# Altium PCB MS3100_MCU_V0.1.PcbDoc
Units mil, origin at the board's own origin, x right, y up, seen from the top; angles counter-clockwise.
Board outline 5905.51 x 2283.46 mil, 2 copper layers (Top Layer, Bottom Layer); 39 components, 65 nets, 231 pads, 22 vias.
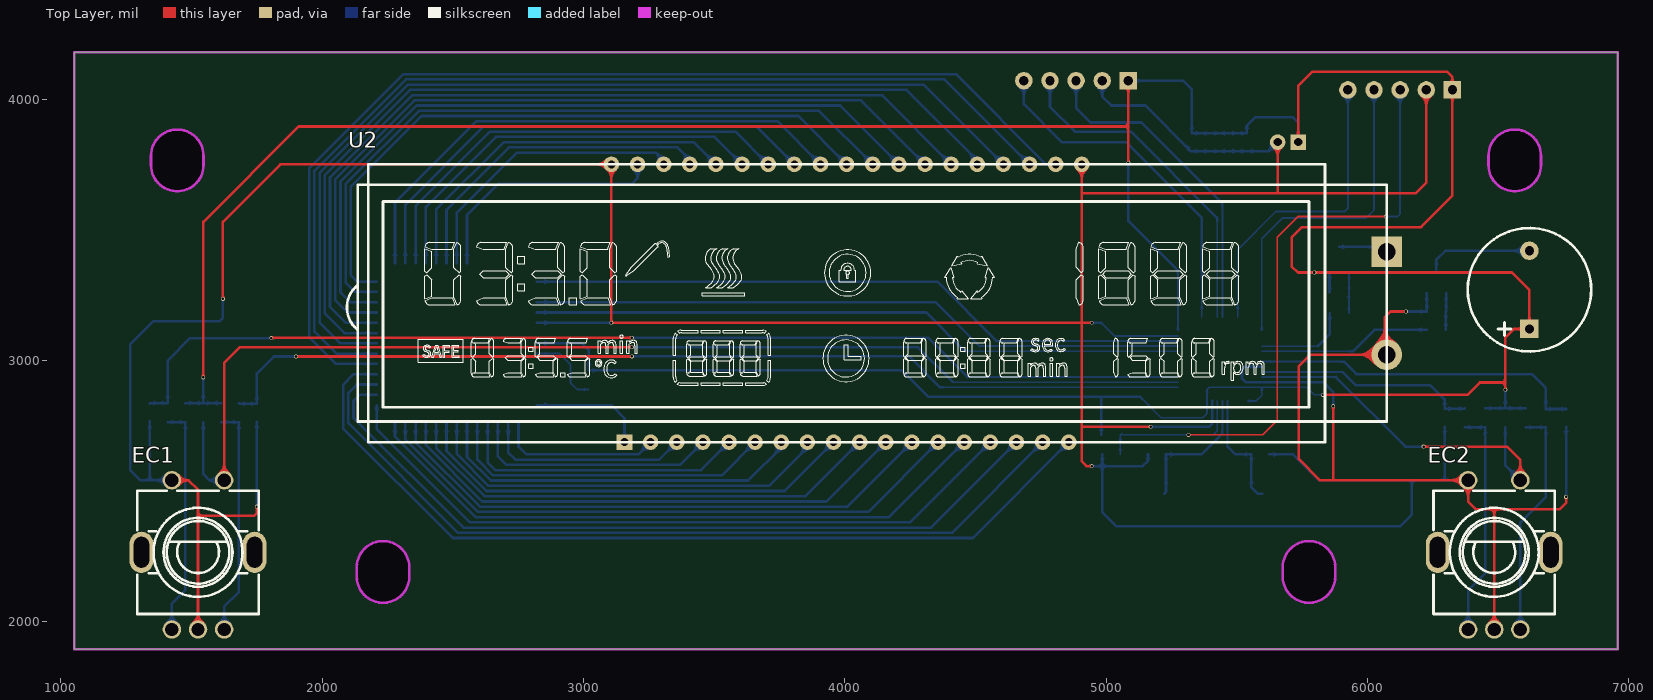
[diagram p0: Top Layer view]
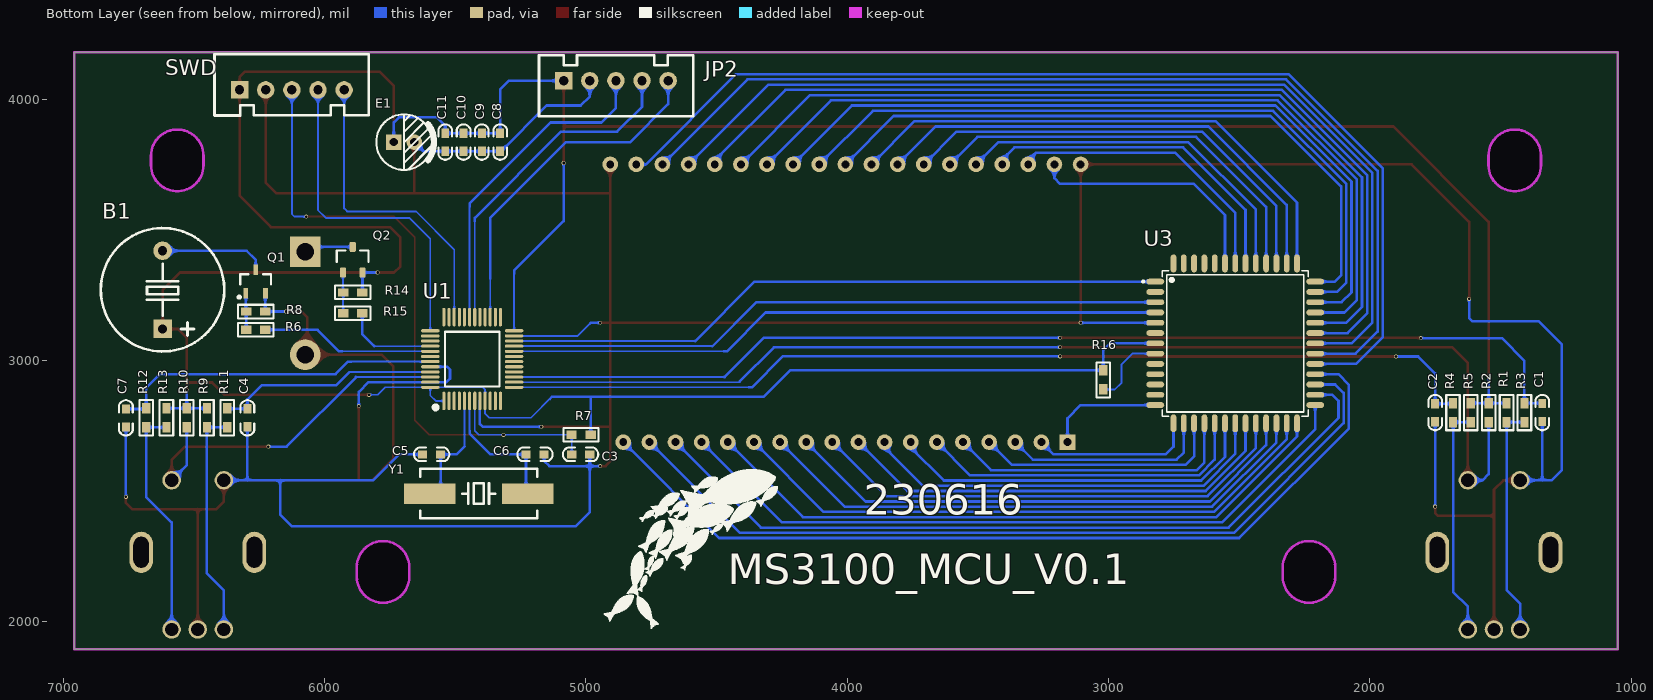
[diagram p1: Bottom Layer view, seen from below]
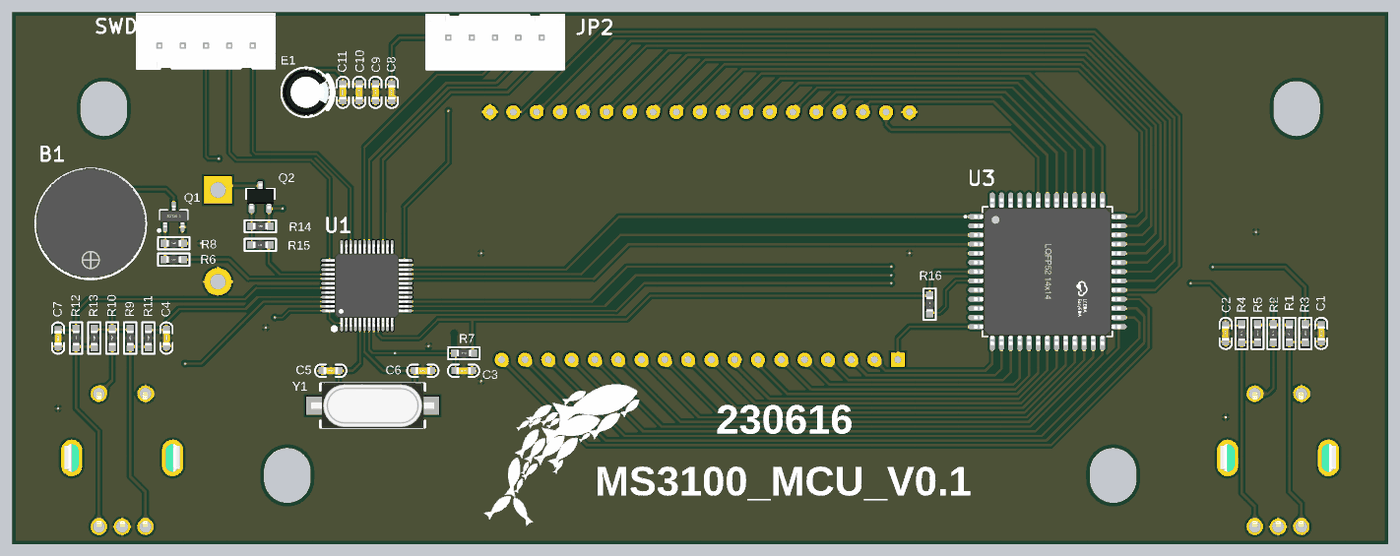
[diagram p2: 3D render of the assembled board from below, using the file's embedded part models]

## Layer stack, top to bottom
Top Solder: solder mask 0.4, Solder Resist, Dk 3.5
Top Layer: signal copper 1.4
Dielectric 1: dielectric 12.6, FR-4, Dk 4.8
Bottom Layer: signal copper 1.4
Bottom Solder: solder mask 0.4, Solder Resist, Dk 3.5

## Board outline
1051.76,1895 1051.76,4178.46 6957.27,4178.46 6957.27,1895
cut-out: 6463.18,3747.36 ccw(c6563.57,3747.36) 6663.97,3747.36 6663.97,3782.8 ccw(c6563.57,3782.8) 6463.18,3782.8
cut-out: 5675.78,2172.56 ccw(c5776.17,2172.56) 5876.57,2172.56 5876.57,2207.99 ccw(c5776.17,2207.99) 5675.78,2207.99
cut-out: 2132.47,2172.56 ccw(c2232.86,2172.56) 2333.26,2172.56 2333.26,2207.99 ccw(c2232.86,2207.99) 2132.47,2207.99
cut-out: 1345.07,3747.36 ccw(c1445.46,3747.36) 1545.86,3747.36 1545.86,3782.8 ccw(c1445.46,3782.8) 1345.07,3782.8

## Design rules (kind name [scope] priority, off if disabled: settings)
Clearance "chip pin" [HasFootprint('STM32F030C8T6')] p1: gap=5 ignorepadtopadclearanceinfootprint=FALSE
Clearance [All] p2: gap=10 ignorepadtopadclearanceinfootprint=TRUE except(0: Arc-Hole Track-Hole SMDPad-Hole THPad-Hole Via-Hole Fill-Hole Poly-Hole Region-Hole Text-Hole)
HoleSize [All] p1: absolutevalues=TRUE maxlimit=120 minlimit=1 maxpercent=80.000 minpercent=20.000
PolygonConnect [All] p1: connectstyle=Relief reliefconductorwidth=10 reliefentries=4 polygonreliefangle="90 Angle" airgapwidth=10
RoutingVias [All] p1: holewidth=28 width=50 viastyle="Through Hole" minholewidth=10 minwidth=15 maxholewidth=28 maxwidth=50
SilkToSilkClearance [All] p1: silktosilkclearance=5
SolderMaskExpansion [All] p1: expansion=4
Width [All] p1: maxlimit=10 minlimit=5 preferedwidth=10
28 further rules are at their usual default settings.

## Components (designator, comment, footprint, x,y, rotation, side; value= is the part's Value field where it differs from the comment)
B1 "DC5V" "BEEP 7.6X12X7.5" 6619.35,3270 r180 bottom
C1 "0.1uF" "C 0603" 1340,2799.96 r270 bottom
C2 "0.1uF" "C 0603" 1750,2799.96 r90 bottom
C3 "0.1uF" "C 0603" 5020,2640 r0 bottom
C4 "0.1uF" "C 0603" 6295,2779.96 r270 bottom
C5 "22pF" "C 0603" 5590,2640 r180 bottom
C6 "22pF" "C 0603" 5195,2640 r0 bottom
C7 "0.1uF" "C 0603" 6760,2779.96 r90 bottom
C8 "0.1uF" "C 0603" 5328.07,3835 r90 bottom
C9 "0.1uF" "C 0603" 5398.07,3835 r90 bottom
C10 "0.1uF" "C 0603" 5468.07,3835 r90 bottom
C11 "0.1uF" "C 0603" 5538.07,3835 r90 bottom
E1 "100uF/16V" "CAP 2.0*5*11 - BK" 5695.63,3835 r180 bottom
EC1 "EC11" EC11A 1525,2255.55 r0 top locked
EC2 "EC11" EC11A 6485,2255.55 r0 top locked
JP2 "HDR-1X5" XH2.54-5P 5085,4070 r180 bottom
Q1 "S8050" SOT23-3L 6263.47,3301.85 r180 bottom
Q2 "AO3401A" SOT23-3 5892.22,3385 r90 bottom
R1 "10K" "R 0603" 1476.73,2800 r90 bottom
R2 "10K" "R 0603" 1545.06,2800 r90 bottom
R3 "10K" "R 0603" 1408.4,2800 r270 bottom
R4 "10K" "R 0603" 1681.73,2800 r270 bottom
R5 "10K" "R 0603" 1613.4,2800 r270 bottom
R6 "1K" "R 0603" 6263.47,3116.85 r0 bottom
R7 "10K" "R 0603" 5018.39,2715 r180 bottom
R8 "10K" "R 0603" 6263.47,3186.85 r0 bottom
R9 "10K" "R 0603" 6450.06,2780 r90 bottom
R10 "10K" "R 0603" 6527.56,2780 r90 bottom
R11 "10K" "R 0603" 6372.56,2780 r270 bottom
R12 "10K" "R 0603" 6682.56,2780 r270 bottom
R13 "10K" "R 0603" 6605.06,2780 r270 bottom
R14 "10K" "R 0603" 5892.22,3260 r180 bottom
R15 "1K" "R 0603" 5892.22,3180 r0 bottom
R16 "1K" "R 0603" 3020,2925 r270 bottom
SWD "HDR-1X5" SWD_JOANLAB 5925,4035 r0 bottom (schematic designator JP1)
U1 "STM32F030C8T6" STM32F030C8T6 5435,3005 r180 bottom
U2 "HS3100" HS3100 2062.01,2824.8 r0 top locked
U3 "TM1622" TM1622 2515,3065 r270 bottom
Y1 "8MHz" "XTAL-49S SMD" 5410,2490 r0 bottom

## Footprints (in the part's own frame and the unit in brackets; to place one, negate y for a bottom-side part, rotate by r counter-clockwise, add the part's x,y. Pads: shape width x height; smd on the part's side, far side on the other; paste and mask are expansions set on the pad)
"BEEP 7.6X12X7.5" [mm] "6.5*12*7.5mm(脚距,直径,高度)"
  rect 1.8x1.8 hole 0.9: 1(-0.011,-3.811)
  round 1.8 hole 0.9: 2(-0.011,3.789)
  silkscreen extent -6.01,-6 5.99,6, body extent -6.01,-5.93 5.99,6.07, height 7.55
"C 0603" [mil] "无极性贴片电容"
  rect 35x30 smd: 1(-35,0) 2(34,0)
  silkscreen extent -67,-26 67,26, body extent -31,-16 31,16, height 32
"CAP 2.0*5*11 - BK" [mm] "脚距2mm直径5mm高度11mm"
  rect 1.5x1.5 hole 0.8: 1(-1,0)
  round 1.5 hole 0.8: 2(1,0)
  silkscreen extent -2.7,-2.7 2.96,2.7, body extent -2.5,-2.5 2.51,2.5, height 11.04
EC11A [mm] "旋钮编码器"
  oval 2.3x4 hole 1.5 slot 3 at 90 deg paste+0 mask+0.051: 0(-5.5,0.25) 0(5.5,0.25)
  round 1.8 hole 1.3 paste+0 mask+0.051: 1(2.54,7.25) 2(-2.54,7.25) 3(-2.54,-7.25) 4(2.54,-7.25) 5(0,-7.25)
  silkscreen extent -5.9,-5.75 5.9,6.25, body extent -6.29,-7.3 6.29,7.4, height 24.6
HS3100 [mil] "HS3100屏幕"
  rect 60x60 hole 30: 1(1094.88,-137.8)
  round 60 hole 30: 2(1194.88,-137.8) 2(1194.88,-137.8) 3(1294.88,-137.8) 4(1394.88,-137.8) 5(1494.88,-137.8) 6(1594.88,-137.8) 7(1694.88,-137.8) 8(1794.88,-137.8) 9(1894.88,-137.8) 10(1994.88,-137.8) 11(2094.88,-137.8) 12(2194.88,-137.8) 13(2294.88,-137.8) 14(2394.88,-137.8) 15(2494.88,-137.8) 16(2594.88,-137.8) 17(2694.88,-137.8) 18(2794.88,-137.8) 19(2844.88,925.2) 20(2744.88,925.2) 21(2644.88,925.2) 22(2544.88,925.2) 23(2444.88,925.2) 24(2344.88,925.2) 25(2244.88,925.2) 26(2144.88,925.2) 27(2044.88,925.2) 28(1944.88,925.2) 29(1844.88,925.2) 30(1744.88,925.2) 31(1644.88,925.2) 32(1544.88,925.2) 33(1444.88,925.2) 34(1344.88,925.2) 35(1244.88,925.2) 36(1144.88,925.2) 37(1044.88,925.2) 37(1044.88,925.2)
  rect 118.11x118.11 hole 66.93: 38(4011.81,590.55)
  round 118.11 hole 66.93: 39(4011.81,196.85)
  silkscreen extent 33,-197 4012,925
"R 0603" [mil] "1/10W贴片电阻"
  rect 40x31.5 smd: 1(-36.5,0) 2(36.5,0)
  silkscreen extent -68,-26 68,26, body extent -31,-16 31,16, height 16
SOT23-3 [mm] "SOT23, 3-Leads, Body 3.1x3.0mm (max), Pitch 0.95mm, IPC Medium Density"
  rrect50% 1x0.6 smd: 1(-1.246,0.95) 2(-1.246,-0.95) 3(1.246,0)
  silkscreen extent -0.2,-1.55 0.9,1.55, body extent -1.3,-1.45 1.5,1.45, height 1.2
SOT23-3L [mm] "3x1.3x1mm(长宽高)"
  rect 0.45x1 smd: 1(-0.95,-1.143) 2(0.95,-1.143) 3(0,1.125)
  silkscreen extent -1.73,-1.65 1.5,0.7, body extent -1.5,-1.2 1.5,1.2, height 1.05
STM32F030C8T6 [mm]
  oval 0.3x1.8 smd: 1(-2.75,-4.073) 2(-2.25,-4.073) 3(-1.75,-4.073) 4(-1.25,-4.073) 5(-0.75,-4.073) 6(-0.25,-4.073) 7(0.25,-4.073) 8(0.75,-4.073) 9(1.25,-4.073) 10(1.75,-4.073) 11(2.25,-4.073) 12(2.75,-4.073) 25(2.75,4.073) 26(2.25,4.073) 27(1.75,4.073) 28(1.25,4.073) 29(0.75,4.073) 30(0.25,4.073) 31(-0.25,4.073) 32(-0.75,4.073) 33(-1.25,4.073) 34(-1.75,4.073) 35(-2.25,4.073) 36(-2.75,4.073)
  oval 1.8x0.3 smd: 13(4.073,-2.75) 14(4.073,-2.25) 15(4.073,-1.75) 16(4.073,-1.25) 17(4.073,-0.75) 18(4.073,-0.25) 19(4.073,0.25) 20(4.073,0.75) 21(4.073,1.25) 22(4.073,1.75) 23(4.073,2.25) 24(4.073,2.75) 37(-4.073,2.75) 38(-4.073,2.25) 39(-4.073,1.75) 40(-4.073,1.25) 41(-4.073,0.75) 42(-4.073,0.25) 43(-4.073,-0.25) 44(-4.073,-0.75) 45(-4.073,-1.25) 46(-4.073,-1.75) 47(-4.073,-2.25) 48(-4.073,-2.75)
  silkscreen extent -3.68,-4.83 2.65,2.65, body extent -4.5,-4.5 4.5,4.5, height 1.05
SWD_JOANLAB [mm] "接插件，5P"
  rect 1.7x1.7 hole 0.9: 1(10.16,0)
  round 1.7 hole 0.9: 2(7.62,0) 3(5.08,0) 4(2.54,0) 5(0,0)
  silkscreen extent -2.4,-3.45 12.6,2.49, body extent -2.5,-3.3 12.66,2.4, height 7.03
TM1622 [mm] "LCD显示芯片，52脚"
  oval 0.56x1.74 smd paste+0 mask+0.051: 1(-6,-7.77) 2(-5,-7.77) 3(-4,-7.77) 4(-3,-7.77) 5(-2,-7.77) 6(-1,-7.77) 7(0,-7.77) 8(1,-7.77) 9(2,-7.77) 10(3,-7.77) 11(4,-7.77) 12(5,-7.77) 13(6,-7.77) 27(6,7.77) 28(5,7.77) 29(4,7.77) 30(3,7.77) 31(2,7.77) 32(1,7.77) 33(0,7.77) 34(-1,7.77) 35(-2,7.77) 36(-3,7.77) 37(-4,7.77) 38(-5,7.77) 39(-6,7.77)
  oval 1.74x0.56 smd paste+0 mask+0.051: 14(7.77,-6) 15(7.77,-5) 16(7.77,-4) 17(7.77,-3) 18(7.77,-2) 19(7.77,-1) 20(7.77,0) 21(7.77,1) 22(7.77,2) 23(7.77,3) 24(7.77,4) 25(7.77,5) 26(7.77,6) 40(-7.77,6) 41(-7.77,5) 42(-7.77,4) 43(-7.77,3) 44(-7.77,2) 45(-7.77,1) 46(-7.77,0) 47(-7.77,-1) 48(-7.77,-2) 49(-7.77,-3) 50(-7.77,-4) 51(-7.77,-5) 52(-7.77,-6)
  silkscreen extent -7.08,-9.04 7.08,7.08, body extent -8,-8 8,8, height 1.44
XH2.54-5P [mm] "接插件，5P"
  rect 1.7x1.7 hole 0.9: 1(0,0)
  round 1.7 hole 0.9: 2(2.54,0) 3(5.08,0) 4(7.62,0) 5(10.16,0)
  silkscreen extent -2.4,-3.45 12.6,2.49, body extent -2.5,-3.3 12.66,2.4, height 7.03
"XTAL-49S SMD" [mm]
  rect 5x2 smd: 1(-4.75,0) 2(4.75,0)
  silkscreen extent -5.7,-2.4 5.7,2.4, body extent -6.7,-2.46 6.7,2.44, height 4

## Part data
B1: library part BEEP, "蜂鸣器", 学习资源=www.oooc
C1 C2 C3 C4 C5 C6 C7 C8 C9 C10 C11: library part C, "无极性贴片电容", BOM名称=无, 学习资源=www.oooc
E1: library part C-CAP, "直插电解电容", BOM名称=ֱ, 学习资源=www.oooc
EC1 EC2: "旋钮电位器"
JP2 SWD: library part "Header 5", "5P接插件", BOM名称=5P, 学习资源=www.oooc
Q1: library part NPN
Q2: "P-MOS"
R1 R2 R3 R4 R5 R6 R7 R8 R9 R10 R11 R12 R13 R14 R15 R16: library part R, "贴片电阻", BOM名称=Ì, 学习资源=www.oooc
U1: "STM32F030采用ARM Cortex内核，运算速度高达48 MHz。STM32F030是STM32系列中价格最低的产品，具有全套外设，例如高速12位AD"
U2: "HS3100的屏幕"
U3: "LCD驱动芯片，52脚"
Y1: library part XTAL-2, "2脚晶振", BOM名称=2, 学习资源=www.oooc

## Via types
v1: diameter 15, hole 10, Top Layer to Bottom Layer, tented both sides, 22 vias

## Nets (pads, with @x,y where several pads share a name; then routed paths per layer and width w, separated by ;. In a path a pad name is that pad's centre, name@x,y a point inside that pad or via, vN(x,y) a via of type N, cw(c..) or ccw(c..) an arc to the next point about the centre after c; other vN are vias at no path point)
3.3V: B1.1 C8.2 C9.2 C10.2 C11.2 E1.1 JP2.1 Q2.2 R1.2 R2.2 R5.1 R7.2 R9.2 R10.2 R13.1 R14.2 R16.1 SWD.1 U1.1 U1.9 U1.24 U1.48 U3.7 | length 14597.6
  Top Layer w10: v1(1545.06,2934.94) 1545.06,3530.06 1910,3895 5085,3895 ; v1(5085,3755) 5085,3895 ; JP2.1 5085,3895 ; E1.1 5735,4050 5790,4105 6305,4105 6325,4085 SWD.1 6325,3630 6205,3510 5750,3510 5710,3470 5710,3360 5734.06,3335.94 v1(5796.85,3335.94) 6552.21,3335.94 6619.77,3268.38 B1.1 6559.97,3119.97 6527.56,3087.56 6527.56,2915 ; v1(5830,2868.15) 6383.15,2868.15 6430,2915 6527.56,2915 ; v1(6527.56,2887.56) 6527.56,2915
  Bottom Layer w7: 5130,2860 5210,2780 5370,2780 5385.79,2795.79 U1.9 5385.79,2887.52 5395,2896.73 U1.48 ; U1.24 5274.65,3343.35 ; U1.1 5574.65,2844.65 5595.35,2865.35 U1.48 ; v1(5830,2868.15) 5796.85,2868.15 5768.27,2896.73 U1.48
  Bottom Layer w10: R1.2 R2.2 ; v1(1545.06,2934.94) R2.2 ; R5.1 R2.2 ; U3.7 2995,3065 3020,3040 R16.1 4218.5,2961.5 4320,2860 4898.78,2860 ; 4900,2860 4980,2860 ; R7.2 4981.89,2858.11 4980,2860 ; v1(5085,3755) 5085,3532.99 5274.65,3343.35 ; JP2.1 5295,4070 5328.07,4036.93 C8.2 C9.2 C10.2 C11.2 5538.07,3898.07 5570,3930 5715,3930 5735,3910 E1.1 ; 5130,2860 4980,2860 ; v1(5796.85,3335.94) Q2.2 R14.2@5854.82,3260.9 ; R9.2 R10.2 ; v1(6527.56,2887.56) R10.2 ; R13.1 R10.2
Beep: R6.1 U1.41 | length 665.7
  Bottom Layer w7: U1.41 5944.13,3034.53
  Bottom Layer w10: 5944.13,3034.53 6026.45,3116.85 R6.1
COM1: U2.1 U3.13 | length 448.1
  Bottom Layer w10: U3.13 3106.22,2828.78 3156.89,2778.11 U2.1
COM2: U2.2 U3.14 | length 626.7
  Bottom Layer w10: U3.14 2751.22,2670 2781.22,2640 3209.89,2640 U2.2@3256.89,2687.01
COM3: U2.3 U3.15 | length 795.4
  Bottom Layer w10: U3.15 2711.85,2648.15 2740,2620 3289.89,2620 U2.3
COM4: U2.4 U3.16 | length 960.5
  Bottom Layer w10: U3.16 2672.48,2632.52 2705,2600 3369.89,2600 U2.4
COM5: U2.5 U3.17 | length 1130.4
  Bottom Layer w10: U3.17 2633.11,2608.6 2661.71,2580 3449.89,2580 U2.5
COM6: U2.6 U3.18 | length 1279.9
  Bottom Layer w10: U3.18 2593.74,2619.69 2653.43,2560 3529.89,2560 U2.6
COM7: U2.7 U3.19 | length 1441.1
  Bottom Layer w10: U3.19 2554.37,2630.77 2645.14,2540 3630,2540 3756.89,2666.89 U2.7
COM8: U2.8 U3.20 | length 1590.6
  Bottom Layer w10: U3.20 2515,2641.86 2636.86,2520 3710,2520 3856.89,2666.89 U2.8
CS: U1.22 U3.1 | length 2547.9
  Bottom Layer w7: 4581.1,3073.9 U1.22
  Bottom Layer w10: U3.1 4353.78,3301.22 4581.1,3073.9
DATA: U1.20 U3.4 | length 2515.3
  Bottom Layer w7: 4460.47,3034.53 U1.20
  Bottom Layer w10: U3.4 4311.89,3183.11 4460.47,3034.53
DIR: JP2.3 U1.31 | length 1250.8
  Bottom Layer w7: U1.31 5444.84,3600.16
  Bottom Layer w10: JP2.3 4885,3965 4940,3910 5135,3910 5444.84,3600.16
EC1A: C1.1 R3.1 U1.15 | length 4196
  Top Layer w10: v1(1805,3085) 1806.5,3086.5 v1(3185,3086.5)
  Bottom Layer w7: 4470,2936.1 U1.15
  Bottom Layer w10: C1.1 1341.54,2836.5 R3.1 1408.4,2998.4 1495,3085 v1(1805,3085) ; v1(3185,3086.5) 4318.5,3086.5 4468.9,2936.1 4470,2936.1
EC1B: C2.2 R4.1 U1.13 | length 3785.9
  Top Layer w10: v1(1900,3014.84) 3184.84,3014.84 v1(3185,3015)
  Bottom Layer w7: 4365,2896.73 U1.13
  Bottom Layer w10: R4.1 1684.27,2833.96 C2.2 1750,2950 1814.84,3014.84 v1(1900,3014.84) ; v1(3185,3015) 4246.73,3015 4365,2896.73
EC2A: C4.1 R11.1 U1.45 | length 858.4
  Bottom Layer w7: U1.45@5596.54,2954.6 U1.45 5903.81,2955.79 5905,2954.6
  Bottom Layer w10: 5905,2954.6 5954.6,2905 6240,2905 6295,2850 C4.1 6371.02,2814.96 R11.1
EC2B: C7.2 R12.1 U1.43 | length 1284
  Bottom Layer w7: U1.43 5909.84,2995.16
  Bottom Layer w10: 5909.84,2995.16 5958.11,2946.89 6629.53,2946.89 6682.56,2893.86 R12.1 ; R12.1@6682.56,2813.96 C7.2
FG: JP2.5 U1.27 | length 1330.9
  Bottom Layer w7: U1.27 5366.1,3323.9
  Bottom Layer w10: JP2.5 4685,3980 4830,3835 5076.1,3835 5366.1,3545 5366.1,3323.9
GND: C1.2 C2.1 C3.1 C4.2 C5.1 C6.1 C7.1 C8.1 C9.1 C10.1 C11.1 E1.2 EC1.2 EC1.5 EC2.2 EC2.5 JP2.2 Q1.2 R8.1 SWD.2 U1.8 U1.23 U1.44 U1.47 U2.19 U2.37 U2.39 U3.5 | length 18702.6
  Top Layer w10: EC1.2 1489.02,2540.98 1524.99,2505.01 1524.99,2405 ; EC1.5 1524.99,2405 ; v1(1620,3235) 1620,3530 1840,3750 3106.89,3750 v1(3106.89,3143.74) 4905,3143.74 ; v1(1750,2440) 1750,2415 1740,2405 1524.99,2405 ; U2.19 4906.89,3640 ; v1(4945,2595) 4925,2595 4906.89,2613.11 4906.89,2748.11 ; v1(4945,3143.74) 4906.89,3143.74 ; v1(5170,2745.96) 4909.04,2745.96 4906.89,2748.11 ; 5656.26,3643.74 E1.2 ; v1(5868.92,2825) 5868.92,2544.9 5865,2540.98 ; v1(6146.85,3186.85) 6088.15,3186.85 6066.3,3165 6066.3,3029.18 U2.39 5781.65,3021.65 5737.75,2977.75 5737.75,2622.25 5819.02,2540.98 5865,2540.98 ; SWD.2 6225,3680 6185,3640 4906.89,3640 ; EC2.5 6484.99,2429.99 ; v1(6760,2477.56) 6760,2455 6735,2430 6485,2430 ; 4906.89,2748.11 4906.89,3143.74 ; 4906.89,3143.74 4906.89,3640 ; 5865,2540.98 EC2.2 6384.99,2460.01 6415,2430 6485,2430
  Bottom Layer w7: 4981.26,3143.74 5031.42,3093.58 U1.23
  Bottom Layer w10: C1.2 1340,2540.98 ; EC1.2 1340,2540.98 ; v1(1620,3235) 1620,3161.6 1608.4,3150 1355,3150 1265,3060 1265,2580 1304.02,2540.98 1340,2540.98 ; v1(1750,2440) C2.1 ; U3.5 v1(3106.89,3143.74) ; v1(4945,2595) 4985,2595 ; v1(4945,3143.74) 4981.26,3143.74 ; C3.1 4985,2595 ; JP2.2@4985,4090 JP2.2 4985,4010 5020,3975 5150,3975 5325,3800 C8.1 C9.1 C10.1 C11.1 5621.26,3800 E1.2 ; C6.1 5160,2615 5140,2595 4985,2595 ; v1(5170,2745.96) 5395,2745.96 5405.47,2756.43 U1.8 ; U1.44 5530.47,2975.47 5520,2965 5520,2930 5533.58,2916.42 U1.47 5831.73,2916.42 5868.92,2879.22 v1(5868.92,2825) ; C5.1 5715,2640 5814.02,2540.98 6170,2540.98 ; v1(6146.85,3186.85) R8.1 6226.97,3255.95 Q1.2 ; C4.2 6295,2540.98 ; EC2.2 6295,2540.98 ; v1(6760,2477.56) C7.1 ; 4985,2595 4985,2420 5040,2365 6125,2365 6170,2410 6170,2540.98 ; 6170,2540.98 6295,2540.98
KEY1: EC1.1 R2.1 U1.14 | length 4467.6
  Top Layer w10: EC1.1 1624.99,2989.99 1685.38,3050.38 3184.62,3050.38 v1(3185,3050)
  Bottom Layer w7: 4411.79,2918.21 4413.58,2916.42 U1.14
  Bottom Layer w10: R2.1 1545.06,2564.94 1569.02,2540.98 EC1.1 ; v1(3185,3050) 4280,3050 4411.79,2918.21
KEY2: EC2.1 R10.1 U1.46 | length 1425.8
  Top Layer w10: v1(6215,2670) 6533.69,2670 6584.99,2618.69 EC2.1
  Bottom Layer w7: U1.46 5880,2936.1
  Bottom Layer w10: 5880,2936.1 5880,2935 6145,2670 v1(6215,2670) ; R10.1 6527.56,2598.41 EC2.1
LED_ADJ: R15.1 U1.40 | length 358.9
  Bottom Layer w7: U1.40 5809.21,3054.21 5810,3055
  Bottom Layer w10: 5810,3055 5855.72,3100.72 R15.1
NetB1_2: B1.2 Q1.3 | length 409.3
  Bottom Layer w10: Q1.3 6263.47,3385 6297.65,3419.18 B1.2
NetEC1_3: EC1.3 R1.1 R3.2 | length 883.2
  Bottom Layer w10: R3.2 R1.1 1476.73,2120.32 1424.99,2068.59 EC1.3
NetEC1_4: EC1.4 R4.2 R5.2 | length 885.2
  Bottom Layer w10: R5.2 R4.2 1681.26,2763.03 1681.26,2113.43 1624.99,2057.16 EC1.4
NetEC2_3: EC2.3 R9.1 R11.2 | length 877.8
  Bottom Layer w10: R11.2 R9.1 6450.06,2185.06 6384.99,2119.99 EC2.3
NetEC2_4: EC2.4 R12.2 R13.2 | length 891.3
  Bottom Layer w10: EC2.4 6584.99,2379.99 6682.56,2477.56 R12.2 R13.2
NetQ1_1: Q1.1 R6.2 R8.2 | length 140.4
  Bottom Layer w10: R6.2 R8.2 6300.87,3187.75 Q1.1
NetQ2_1: Q2.1 R14.1 R15.2 | length 155
  Bottom Layer w7: R15.2 R14.1 ; R14.1@5929.63,3260.9 Q2.1
NetR16_2: R16.2 U3.8 | length 296.9
  Bottom Layer w7: U3.8 2909.37,3025.63 2950,2985 2950,2915 2976.5,2888.5 R16.2
NRST: C3.2 R7.1 SWD.3 U1.7 | length 2619.3
  Top Layer w7: v1(5315,2715) 5600,2715 5655,2770 5655,3470.94 5734.06,3550 v1(6070,3550)
  Bottom Layer w7: C3.2 5054,2714.11 R7.1 ; R7.1@5060,2720.11 R7.1 ; U1.7 5425.16,2730 5410.16,2715 v1(5315,2715) R7.1 ; v1(6070,3550) 6115,3550 6125,3560 SWD.3
OSC_IN: C5.2 U1.5 Y1.2 | length 455.2
  Bottom Layer w7: 5464.53,2670.47 U1.5
  Bottom Layer w10: 5464.53,2670.47 5495,2640 C5.2 5556,2514 5580,2490 Y1.2
OSC_OUT: C6.2 U1.6 Y1.1 | length 526.2
  Bottom Layer w7: 5444.84,2719.84 U1.6
  Bottom Layer w10: Y1.1 5229,2496.01 C6.2 5365,2640 5444.84,2719.84
PWM: JP2.4 U1.30 | length 1295.8
  Bottom Layer w7: U1.30 5425.16,3544.84
  Bottom Layer w10: JP2.4 4785,3970 4880,3875 5095,3875 5425.16,3544.84
SEG1: U2.9 U3.21 | length 1728.2
  Bottom Layer w10: U3.21 2475.63,2652.95 2628.58,2500 3769.89,2500 U2.9
SEG2: U2.10 U3.22 | length 1877.7
  Bottom Layer w10: U3.22 2436.26,2664.03 2620.29,2480 3849.89,2480 U2.10
SEG3: U2.11 U3.23 | length 2027.1
  Bottom Layer w10: U3.23 2396.89,2675.12 2612.01,2460 3929.89,2460 U2.11
SEG4: U2.12 U3.24 | length 2176.6
  Bottom Layer w10: U3.24 2357.52,2686.2 2603.72,2440 4009.89,2440 U2.12
SEG5: U2.13 U3.25 | length 2326
  Bottom Layer w10: U3.25 2318.15,2697.29 2595.44,2420 4089.89,2420 U2.13
SEG6: U2.14 U3.26 | length 2475.4
  Bottom Layer w10: U3.26 2278.78,2708.38 2587.16,2400 4169.89,2400 U2.14
SEG7: U2.15 U3.27 | length 2715.3
  Bottom Layer w10: U3.27 2209.09,2735.91 2565,2380 4249.89,2380 U2.15
SEG8: U2.16 U3.28 | length 3010
  Bottom Layer w10: U3.28 2143.15,2868.15 2120,2845 2120,2780 2540,2360 4329.89,2360 U2.16
SEG9: U2.17 U3.29 | length 3212.2
  Bottom Layer w10: U3.29 2132.52,2907.52 2100,2875 2100,2760 2520,2340 4409.89,2340 U2.17
SEG10: U2.18 U3.30 | length 3415.2
  Bottom Layer w10: U3.30 2120.47,2946.89 2080,2906.42 2080,2740 2500,2320 4489.89,2320 U2.18
SEG11: U2.20 U3.31 | length 4095
  Bottom Layer w10: U3.31 2053.74,2986.26 1950,3090 1950,3733.28 2311.72,4095 4425.53,4095 4770.53,3750 U2.20
SEG12: U2.21 U3.32 | length 3905.5
  Bottom Layer w10: U3.32 2054.37,3025.63 1970,3110 1970,3725 2320,4075 4381.89,4075 U2.21
SEG13: U2.22 U3.33 | length 3707.2
  Bottom Layer w10: U3.33 2070,3065 1990,3145 1990,3716.57 2328.43,4055 4301.89,4055 U2.22
SEG14: U2.23 U3.34 | length 3517.6
  Bottom Layer w10: U3.34 2085.63,3104.37 2010,3180 2010,3708.28 2336.72,4035 4236.57,4035 4506.89,3764.67 U2.23
SEG15: U2.24 U3.35 | length 3316.6
  Bottom Layer w10: U3.35 2091.26,3143.74 2030,3205 2030,3700 2345,4015 4141.89,4015 U2.24
SEG16: U2.25 U3.36 | length 3124.2
  Bottom Layer w10: U3.36 2096.89,3183.11 2050,3230 2050,3691.72 2353.28,3995 4061.89,3995 U2.25
SEG17: U2.26 U3.37 | length 2928.9
  Bottom Layer w10: U3.37 2107.52,3222.48 2070,3260 2070,3683.43 2361.57,3975 3981.89,3975 U2.26
SEG18: U2.27 U3.38 | length 2729.2
  Bottom Layer w10: U3.38 2125.67,3261.85 2090,3297.52 2090,3675.15 2369.85,3955 3901.89,3955 U2.27
SEG19: U2.28 U3.39 | length 2534.3
  Bottom Layer w10: U3.39 2133.78,3301.22 2110,3325 2110,3665 2380,3935 3821.89,3935 U2.28
SEG20: U2.29 U3.40 | length 2057.8
  Bottom Layer w10: U3.40 2278.78,3603.06 2590.72,3915 3741.89,3915 U2.29
SEG21: U2.30 U3.41 | length 1897.2
  Bottom Layer w10: U3.41 2318.15,3595 2618.15,3895 3661.89,3895 U2.30
SEG22: U2.31 U3.42 | length 1738.5
  Bottom Layer w10: U3.42 2357.52,3590.3 2642.22,3875 3581.89,3875 U2.31
SEG23: U2.32 U3.43 | length 1580.5
  Bottom Layer w10: U3.43 2396.89,3586.89 2665,3855 3501.89,3855 U2.32
SEG24: U2.33 U3.44 | length 1418.4
  Bottom Layer w10: U3.44 2436.26,3576.26 2695,3835 3421.89,3835 U2.33
SEG25: U2.34 U3.45 | length 1272.7
  Bottom Layer w10: U3.45 2475.63,3575.63 2715,3815 3360,3815 3406.89,3768.11 U2.34
SEG26: U2.35 U3.46 | length 1108.7
  Bottom Layer w10: U3.46 2515,3565 2745,3795 3276.89,3795 3306.89,3765 U2.35
SEG27: U2.36 U3.47 | length 949.2
  Bottom Layer w10: U3.47 2554.37,3556.26 2673.11,3675 3185,3675 3206.89,3696.89 U2.36
SWCLK: SWD.4 U1.37 | length 1287.1
  Bottom Layer w7: U1.37 5595.35,3465.35 5675,3545 5995,3545 6025,3575 SWD.4
SWDIO: SWD.5 U1.34 | length 1198.6
  Bottom Layer w7: U1.34 5503.9,3423.9 5650,3570 5913.72,3570 5925,3581.28 SWD.5
VLED+: Q2.3 U2.38 | length 189.3
  Bottom Layer w10: Q2.3 6055.12,3434.06 U2.38
WR: U1.21 U3.3 | length 2524.3
  Bottom Layer w7: 4516.1,3053.9 4517.2,3055 5273.86,3055 U1.21
  Bottom Layer w10: U3.3 4347.52,3222.48 4516.1,3053.9
pads on no net: EC1.0 EC2.0 U1.2 U1.3 U1.4 U1.10 U1.11 U1.12 U1.16 U1.17 U1.18 U1.19 U1.25 U1.26 U1.28 U1.29 U1.32 U1.33 U1.35 U1.36 U1.38 U1.39 U1.42 U3.2 U3.6 U3.9 U3.10 U3.11 U3.12 U3.48 U3.49 U3.50 U3.51 U3.52

## Polygon pours and split planes (outlines as drawn)
GND on Top Layer "NONET_L01_P000" (solid, remove dead copper, shelved, pour order 0): 1051.76,1895 1051.76,4178.46 6957.27,4178.46 6957.27,1895
GND on Bottom Layer "NONET_L02_P001" (solid, remove dead copper, shelved, pour order 1): 1051.76,1895 1051.76,4178.46 6957.27,4178.46 6957.27,1895

## Keep-outs
Keep-Out Layer:
  lines w10: 1051.76,1895 6957.27,1895 6957.27,4178.46 1051.76,4178.46 1051.76,1895 ; 1345.07,3747.36 ccw(c1445.46,3747.36) 1545.86,3747.36 1545.86,3782.8 ccw(c1445.46,3782.8) 1345.07,3782.8 1345.07,3747.36 ; 2132.47,2172.56 ccw(c2232.86,2172.56) 2333.26,2172.56 2333.26,2207.99 ccw(c2232.86,2207.99) 2132.47,2207.99 2132.47,2172.56 ; 5675.78,2172.56 ccw(c5776.17,2172.56) 5876.57,2172.56 5876.57,2207.99 ccw(c5776.17,2207.99) 5675.78,2207.99 5675.78,2172.56 ; 6463.18,3747.36 ccw(c6563.57,3747.36) 6663.97,3747.36 6663.97,3782.8 ccw(c6563.57,3782.8) 6463.18,3782.8 6463.18,3747.36

## Silkscreen, mask and mechanical layers (free items; w line width, h text height)
Top Overlay:
  drawing of 1576 lines, arcs and shapes, not listed
Bottom Overlay:
  drawing of 2014 lines, arcs and shapes, not listed
  text "230616" at 3936.72,2370 h200
  text "MS3100_MCU_V0.1" at 4456.89,2105 h200